# Altium PCB MCH_MAIN.PCBDOC (part 4 of 14)
Units mil, origin at the board's own origin, x right, y up, seen from the top; angles counter-clockwise.
Board outline 7110.66 x 2894.12 mil, 6 copper layers (Top Layer, Power, MidLayer1, MidLayer4, GND, Bottom Layer), stack 61.549 mil thick; 630 components, 1085 nets, 3940 pads, 2676 vias.
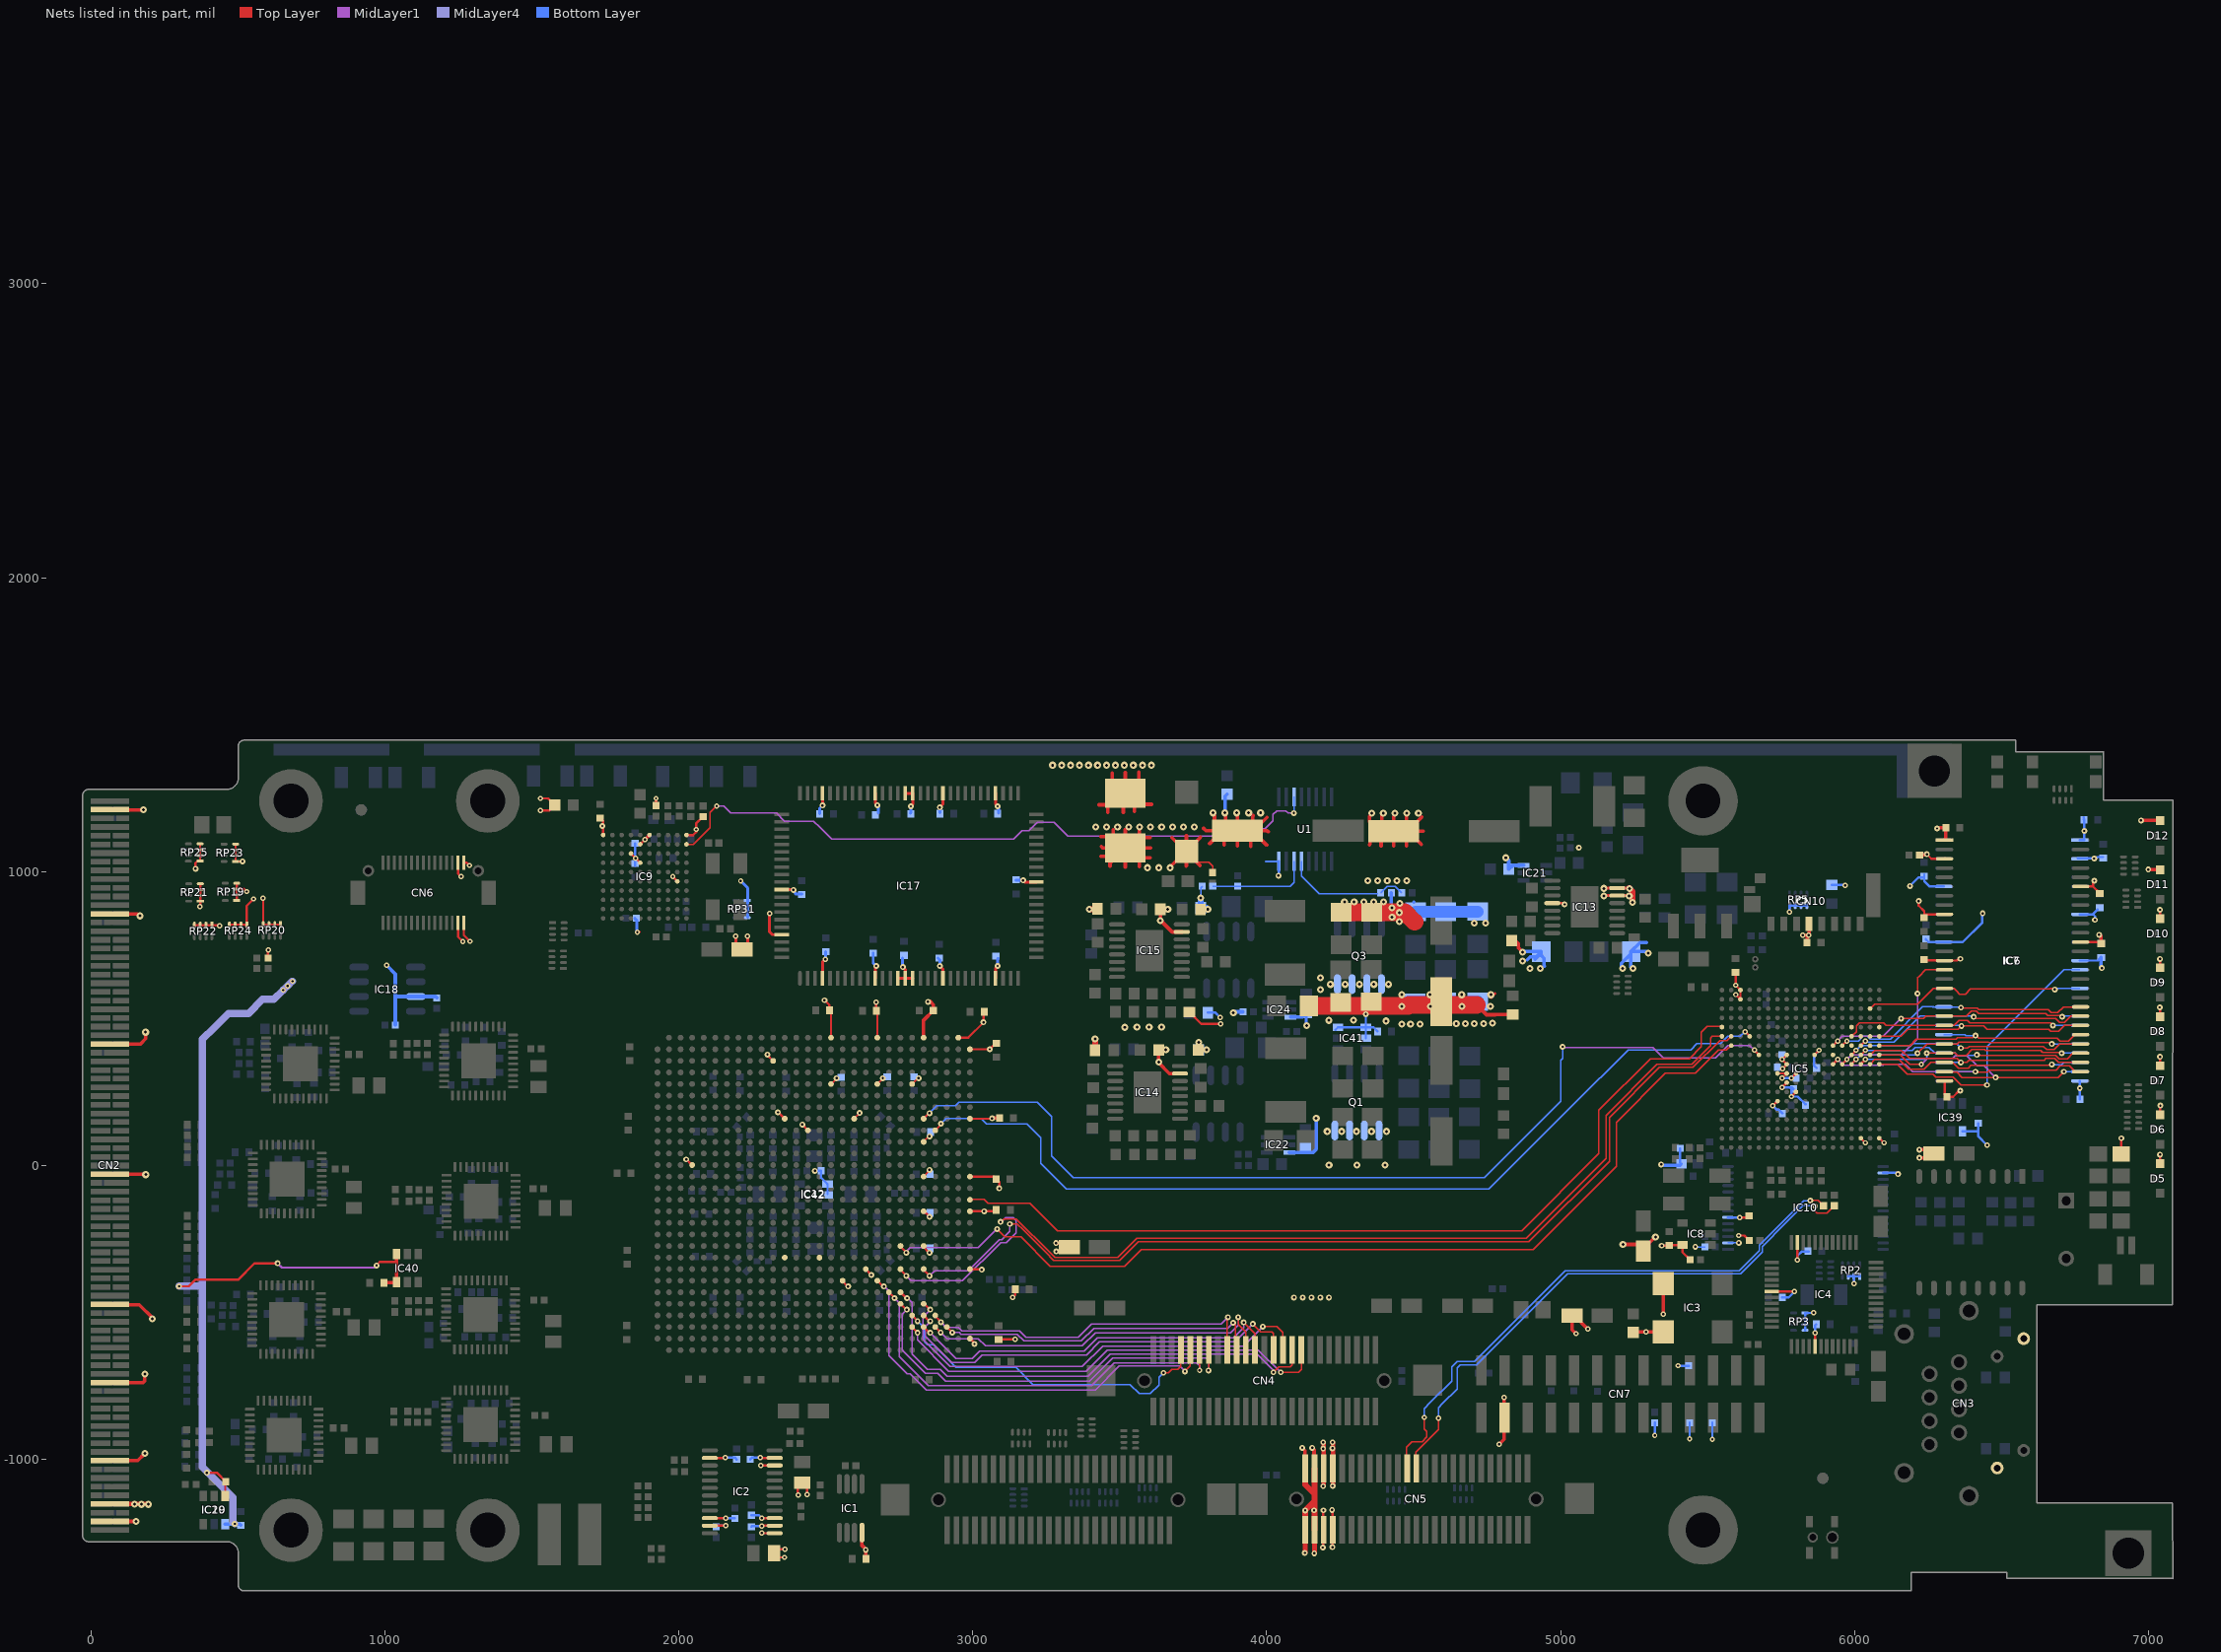
[diagram p8: the nets of this part, all layers, seen from the top]

## Via types
v1: diameter 20, hole 8, Top Layer to Bottom Layer, tented both sides, 1658 vias
v2: diameter 18, hole 8, Top Layer to Bottom Layer, tented both sides, 580 vias
v3: diameter 24, hole 10, Top Layer to Bottom Layer, tented both sides, 438 vias

## Nets (pads, with @x,y where several pads share a name; then routed paths per layer and width w, separated by ;. In a path a pad name is that pad's centre, name@x,y a point inside that pad or via, vN(x,y) a via of type N, cw(c..) or ccw(c..) an arc to the next point about the centre after c; other vN are vias at no path point) (continued)
+3V3: C1.1 C2.2 C3.1 C4.2 C5.2 C6.1 C7.2 C30.2 C35.1 C38.1 C40.1 C41.1 C44.2 C45.2 C46.2 C47.1 C48.1 C50.2 C52.2 C53.2 C55.2 C60.2 C92.1 C94.1 C95.1 C108.1 C109.1 C110.1 C111.1 C112.1 C113.1 C114.1 C117.1 C118.1 C119.1 C120.1 C121.1 C123.1 C126.1 C129.1 C134.1 C135.1 C136.2 C138.1 C148.2 C149.2 C150.2 C151.2 C159.2 C162.2 C166.2 C167.2 C168.2 C172.2 C173.2 C180.2 C181.2 C182.2 C188.2 C189.2 C190.2 C191.2 C194.2 C195.2 C197.2 C199.2 C201.2 C202.2 C203.2 C204.2 C205.2 C206.2 C207.1 C208.1 C209.1 C210.1 C211.1 C212.2 C216.2 C217.2 C219.2 C220.2 C223.1 C224.1 C229.2 C230.2 C231.2 C232.2 C238.2 C239.2 C243.1 C244.1 C249.1 C255.2 CN3.10 CN3.11 CN5.5 CN5.6 CN5.7 CN5.8 CN6.1 CN6.2 CN6.3 CN6.4 CN7.24 CN10.P4 D5.3 D6.3 D7.3 D8.3 D9.3 D10.3 D11.3 D12.3 D24.1 IC1.8 IC2.2 IC2.10 IC2.11 IC2.13 IC2.14 IC2.15 IC2.22 IC2.23 IC3.1 IC3.4 IC4.23 IC4.30 IC4.41 IC5.A17 IC5.C17 IC5.H8 IC5.K10 IC5.K12 IC5.L8 IC5.L9 IC5.L10 IC5.L11 IC5.M10 IC5.M13 IC5.T1 IC5.T2 IC6.1 IC6.3 IC6.9 IC6.14 IC6.27 IC6.43 IC6.49 IC7.1 IC7.3 IC7.9 IC7.14 IC7.27 IC7.43 IC7.49 IC8.5 IC10.2 IC10.6 IC10.16 IC12.A16 IC12.A20 IC12.A24 IC12.A27 IC12.AA28 IC12.AG28 IC12.B28 IC12.E16 IC12.E20 IC12.E23 IC12.H18 IC12.H28 IC12.K24 IC12.N24 IC12.N28 IC12.T24 IC12.T28 IC12.W24 IC13.6 IC13.7 IC13.12 IC17.4 IC17.11 IC17.14 IC17.15 IC17.16 IC17.20 IC17.27 IC17.41 IC17.54 IC17.61 IC17.65 IC17.66 IC17.70 IC17.77 IC17.91 IC17.97 IC19.1 IC20.1 IC21.3 IC22.3 IC24.3 IC39.4 IC40.3 IC40.4 IC41.3 IC41.4 IC41.5 IC42.4 IC42.5 L9.1 R16.2 R19.2 R20.2 R37.2 R38.2 R41.2 R64.1 R66.2 R75.1 R84.2 R85.2 R86.2 R88.2 R95.2 R98.1 R108.2 RP2.1 RP2.2 RP2.3 RP3.1 RP3.2 RP3.3 RP3.4 RP5.5 RP5.6 RP5.7 RP5.8 | length 16249.1
  Top Layer w5: IC12.E16@2518.1,277.32 v1@2536.72,295.94 ; IC12.H18@2596.84,159.21 v1@2615.46,177.83 ; IC12.E20@2675.58,277.32 v1@2694.2,295.94 ; IC12.E23@2793.69,277.32 2813.29,296.93 v1(2816.25,296.93) ; IC12.N24@2833.06,-37.64 v1@2852.66,-18.03 ; IC12.K24@2833.06,80.47 v1@2851.68,99.09 ; v1@2852.39,-14.5 2853.65,-13.25 v1@2853.65,-9.18
  Top Layer w8: v1(300.2,-410.9) 333,-410.9 355,-388.9 500.8,-388.9 556.8,-332.9 v1(635.6,-332.9) ; v1(395,-1045.1) 428.62,-1045.1 C195.2@459.62,-1076.1 457.4,-1078.32 IC19.1@457.4,-1124.86 ; v1@971.5,-339.6 983,-328.1 1020.87,-328.1 1021.07,-328.3 1037.8,-328.3 1039.6,-326.5 ; CN6.4@1249.11,825.54 1249.11,778.79 v2(1265.5,762.4) ; CN6.3@1249.11,1030.26 1249.11,993.49 v2(1259.1,983.5) ; CN6.2@1268.8,825.54 1268.8,783.9 v2(1289.9,762.8) ; CN6.1@1268.8,1030.26 1279.14,1030.26 v2(1288.5,1020.9) ; IC2.11@2105.76,-1225.26 2159.84,-1225.26 v2(2160,-1225.1) ; IC2.10@2105.76,-1199.67 2159.57,-1199.67 v2(2160,-1200.1) ; IC2.2@2105.76,-994.94 2158.16,-994.94 v2(2159,-994.1) ; v2(2277,-994.1) 2277.84,-994.94 IC2.23@2326.24,-994.94 ; v2@2278,-1250.1 v2@2278.75,-1250.85 ; v2@2278,-1227.1 v2@2279.84,-1225.26 ; v2@2278,-1200.1 v2@2278.43,-1199.67 ; v2(2279,-1020.1) 2325.8,-1020.1 IC2.22@2326.24,-1020.53 ; v2@2283.75,-1250.85 IC2.13@2326.24,-1250.85 ; v2@2285.84,-1225.26 IC2.14@2326.24,-1225.26 ; v2@2289.43,-1199.67 IC2.15@2326.24,-1199.67 ; v2(2360,-1333.1) 2338.43,-1333.1 C244.1@2324.43,-1319.1 2324.43,-1310.53 2319,-1305.1 v2(2361,-1305.1) ; v2(2406,-1121.1) 2405,-1120.1 2405,-1091.1 2408.43,-1091.1 C243.1@2420,-1079.53 2434.57,-1094.1 2436,-1094.1 2437,-1095.1 v2(2437,-1119.1) ; v1(2496,562.3) 2512.75,545.55 C112.1@2512.75,528.02 ; C112.1@2511.38,523.98 2518.1,517.26 IC12.A16@2518.1,434.8 ; C120.1@2671.38,522.98 2675.58,518.78 2675.58,493.78 IC12.A20@2675.58,434.8 ; v2@2672.02,550.9 C120.1@2672.02,526.5 v2(2672.02,555.68) ; IC12.W24@2833.06,-273.86 2833.06,-277.96 2852.14,-297.04 v1@2852.66,-297.56 ; IC12.T24@2833.06,-155.75 2834.87,-155.75 v1@2850.69,-171.58 ; IC12.A27@2951.17,434.8 IC12.A27@2955.02,434.8 ; IC12.A27@2954.04,431.77 2954.12,431.85 IC12.A27@2955.02,432.75 ; IC12.A27@2955.02,430.94 IC12.A27@2955.02,432.75 ; IC12.AG28@2990.54,-588.82 3006,-604.28 v1(3006,-607.3) ; IC12.T28@2990.54,-155.75 3037.25,-155.75 v1@3038.1,-156.6 ; IC12.N28@2990.54,-37.64 3070.92,-37.64 3075.28,-42 C108.1@3079.38,-46.1 ; IC12.H28@2990.54,159.21 3065.88,159.21 v1@3066.13,159.46 ; IC12.B28@2990.54,395.43 3045.57,395.43 ; IC12.AA28@2991.07,-353.14 IC12.AA28@2990.54,-352.6 v1@3023.2,-352.6 ; v1(3039.24,-155.47) 3076.01,-155.47 C121.1@3080.38,-151.1 ; v1@3050.1,395.43 3045.57,395.43 ; C118.1@3075.25,412.83 v1(3057.85,395.43) 3045.57,395.43 ; C108.1@3080.78,-47.5 C108.1@3079.38,-46.1 ; C117.1@3087.18,-590.9 C117.1@3088,-591.72 3143.38,-591.72 v2(3144,-591.1) ; v1(3090,-78.1) 3090,-56.72 C108.1@3079.38,-46.1 ; v2(3136.01,-449.09) 3144.38,-440.72 C119.1@3144.38,-421.1 ; R38.2@3737,522.4 3777.5,481.9 v2(3843,481.9) ; v1(4190.8,-1299.7) 4192.78,-1297.72 4192.78,-1236.43 4192.78,-1173.32 v1(4193,-1173.1) ; v1(4192.2,-1090.9) 4192.78,-1090.32 4192.78,-1027.77 4192.78,-964.28 v1@4192.6,-964.1 ; v1(4192.2,-962.9) 4192.2,-941.9 v2(4192.3,-941.8) ; v1(4222.4,-1171.5) 4224.28,-1173.38 4224.28,-1236.43 4224.28,-1294.62 v1@4223.6,-1295.3 ; v1(4224,-961.9) 4224.28,-962.18 4224.28,-977.3 ; v2(4224.1,-941.4) 4224.28,-941.58 4224.28,-977.3 ; v1(4224.6,-1090.1) 4224.28,-1089.78 4224.28,-1027.77 4224.28,-977.3 ; v3@4873.6,724.3 v3@4873.6,731.33 ; IC13.12@4971.13,892.39 5009.51,892.39 v1(5013.6,888.3) ; v3@5231.6,916.5 5244.7,903.4 v3(5244.7,895.3) ; v1(5343.8,-272.7) 5344.42,-272.08 5368.64,-272.08 C173.2@5369,-271.72 5370.38,-270.34 IC8.5@5414.76,-270.34 5414.76,-295.41 R64.1@5440.28,-320.94 ; C55.2@5595,657.28 5595.8,656.48 v2(5595.8,613.5) ; v2@5595.87,581.52 v2(5595.76,581.41) IC5.T2@5611.49,565.68 ; v2@5595.87,612.58 v2@5595.87,613.5 ; v2@5595.89,612.88 5611.49,597.28 IC5.T1@5611.49,597.17 ; v2(5606,-238.1) 5625.28,-238.1 R75.1@5642.28,-255.1 ; IC5.T2@5611.61,565.34 IC5.T1@5611.61,596.84 ; v1@5612,-180.1 v1(5609,-177.1) 5635.62,-177.1 C190.2@5641,-171.72 ; IC4.30@5718,-429.1 v2(5795,-429.1) ; v2(5721.73,203.47) 5737.37,219.11 IC5.M13@5737.48,219.21 ; IC5.M10@5737.59,313.37 IC5.L10@5769.09,313.37 v2(5753.34,297.63) ; v2(5753.34,266.13) IC5.L11@5769.09,281.88 ; v2@5753.36,328.13 5769.09,343.86 IC5.L9@5769.09,344.87 IC5.L9@5766.83,347.12 ; v2@5755.3,360.62 5755.3,357.68 IC5.L9@5768.6,344.38 ; v2@5755.3,362.58 IC5.L8@5769.09,376.37 IC5.L8@5766.83,374.09 ; v2(5784.83,234.63) IC5.K12@5800.58,250.38 ; v2(5784.83,297.63) IC5.K10@5800.58,313.37 ; v2(5805,-321.1) 5805,-293.1 ; 5805,-304.1 5805,-293.1 ; IC4.23@5805,-262.1 5805,-293.1 ; IC5.H8@5863.57,376.37 v2(5879.32,392.11) ; IC4.41@5865,-616.1 v2(5865,-569.1) ; IC5.C17@6021.07,92.9 v2(6036.82,77.15) ; IC5.A17@6084.06,92.9 v2(6099.81,77.15) ; v1(6217.92,899.98) 6217.92,884.23 6236.9,865.26 C134.1@6236.9,845.81 ; C181.2@6236.9,694.63 6240.89,698.62 IC6.14@6311.85,698.62 ; C134.1@6238.06,854.65 IC6.9@6305.85,854.65 ; v1@6241,1055.9 C191.2@6220.72,1055.9 6223.72,1058.9 v1(6246,1058.9) ; v1@6243,1055.9 v1(6246,1058.9) ; IC6.1@6305.26,1109.21 6305.85,1108.62 IC6.1@6305.85,1106.62 ; IC6.27@6305.85,287.72 6307.14,286.44 C166.2@6307.14,240.39 ; IC6.14@6305.85,697.17 6347.79,697.17 v1@6355.72,705.1 ; IC6.3@6305.85,1042.62 IC6.3@6307.85,1044.62 ; IC6.3@6305.85,1043.63 6261.27,1043.63 v1(6246,1058.9) ; C166.2@6313.62,233.9 6335,233.9 6356,254.9 v1@6359.2,254.9 ; IC6.43@6768.84,760.16 6826.31,760.16 C159.2@6831.85,754.62 ; IC6.49@6768.84,949.14 6811.33,949.14 ; v1(6815.6,968.9) 6811.33,964.63 6811.33,949.14 ; C162.2@6833.85,926.62 6811.33,949.14 ; D24.1@6907,39.3 v1(6907,92.9) ; v1(7038,537.9) 7039,536.9 D8.3@7039,506.18 ; D5.3@7039,6.04 v1(7039,36.9) ; D6.3@7039,172.76 7039,202.9 v1(7040,203.9) ; D7.3@7039,339.47 v1(7039,369.9) ; D9.3@7039,672.9 v1(7039,702.9) ; D10.3@7039,839.61 v1(7039,869.9) ; IC12.A27@2955.02,432.75 IC12.A27@2955.02,434.8 ; IC12.A27@2955.02,434.8 2984.63,434.8 v1(3036.88,487.04) ; v1(3036.88,487.04) 3036.88,522.21 v1(3036.88,487.04)
  Top Layer w10: v2(2194,779.9) 2194,756.08 C224.1@2215.18,734.9 2234,753.72 v2(2234,779.9) ; v2(2309,857.9) 2309,794.9 2318.57,785.33 IC17.97@2350.32,785.33 ; IC17.91@2350.32,938.87 v1@2383.95,938.87 ; 2489.1,668.36 IC17.4@2489.1,636.71 2489.1,692 v2(2499,701.9) ; v1(2489.1,1224.71) IC17.77@2489.1,1266.63 ; IC17.11@2668.24,636.71 2668.24,675.49 v1(2671.56,678.82) ; IC17.70@2668.24,1266.63 2668.24,1233.32 v1(2675.5,1226.06) ; IC17.14@2745.01,636.71 IC17.15@2770.6,636.71 ; v1(2762.11,674.88) 2770.6,666.39 IC17.15@2770.6,636.71 ; IC17.66@2770.6,1266.63 2771.8,1265.43 IC17.65@2794.99,1265.43 ; v1(2789.67,1222.12) 2796.19,1228.64 IC17.65@2796.19,1266.63 ; IC17.16@2796.19,636.71 IC17.15@2770.6,636.71 ; v1(2847.6,556.9) 2853.8,556.9 v1@2855,558.1 ; v1(2888.1,678.82) 2898.55,668.36 IC17.20@2898.55,636.71 ; v1(2888.1,1218.19) 2898.55,1228.64 IC17.61@2898.55,1266.63 ; IC17.27@3077.69,636.71 3077.69,671.56 v1(3084.95,678.82) ; IC17.54@3077.69,1266.63 3077.69,1229.38 v1(3084.95,1222.12) ; v1(3171.56,970.15) 3177.25,964.46 IC17.41@3216.47,964.46 ; v3@4762.45,570.89 4776.15,584.59 ; v3@5147.8,916.5 5148,916.3 5148.1,916.4 5149.68,917.98 5191.61,917.98 5230.12,917.98 v3@5231.6,916.5 ; v3@5150,943.7 5150.13,943.57 5191.61,943.57 5232.93,943.57 5233.4,943.1 v3@5233.4,943.3
  Top Layer w12: C151.2@996.62,-399.1 IC40.4@1036.84,-399.1 ; IC40.4@1039.6,-396.34 1039.6,-326.5 IC40.3@1039.6,-301.86 ; IC1.8@2623.39,-1248.78 2623.39,-1293.09 2637.6,-1307.3 2636.62,-1308.28 C4.2@2636.62,-1338.1 ; IC12.A24@2833.06,434.8 2833.06,494.53 C123.1@2866.02,527.5 2866.02,547.08 v1@2855,558.1 ; v1@3066.13,159.46 3068.57,161.9 C109.1@3091.38,161.9 ; v1(3283.4,-264.1) 3314.82,-264.1 C223.1@3328.82,-278.1 3314.22,-292.7 v1(3284.4,-292.7) ; 4714.9,546.1 4748.1,512.9 4778,512.9 4779.5,514.4 R41.2@4837,514.4 ; v2(4791,-948.1) 4807.74,-931.36 4807.74,-860.1 4807.74,-789.36 v2(4808,-789.1) ; R16.2@4838.5,771.9 4856,754.4 4856,740.9 v3(4871,725.9) ; v2(5052,-572.1) 5038.82,-558.92 C35.1@5038.82,-511.1 5047,-511.1 v2(5092,-556.1) ; v3(5211.7,-268.4) 5258.12,-268.4 C47.1@5281,-291.28 5281,-284.4 v3(5322.5,-242.9) ; C30.2@5247,-567.6 5248.14,-566.45 v2@5283,-566.45 ; v2(5290,-566.45) v2@5283,-566.45 ; IC3.1@5349,-566.45 v2@5283,-566.45 ; v2(5349,-506.1) IC3.4@5349,-401.1 ; v2(5824,783.9) v2@5838.38,783.9 ; C188.2@5838.38,757.9 v2@5838.38,783.9 ; CN10.P4@5845.35,822.07 5845.35,784.9 v2(5844.35,783.9) v2@5838.38,783.9 ; v1(6220,25.9) 6255,25.9 6255,26.08 C48.1@6269.82,40.9 6256.82,53.9 v1(6220,53.9) ; v1@6282,1145.9 6285.68,1149.58 C136.2@6310.1,1149.58 6310.1,1112 IC6.1@6308.6,1110.5 ; v1(6831.8,784.7) 6838.73,777.77 C159.2@6838.73,755.2 ; v1(6974,1173.9) 7038.14,1173.9 D12.3@7039,1173.04 ; v1(6999,1006.9) 6999,1008.9 7001.57,1006.33 D11.3@7039,1006.33
  Top Layer w16: v1(4192.2,-1090.9) 4194.04,-1089.06 CN5.5@4194.04,-1030.77 4194.04,-943.74 v2@4192.2,-941.9 ; v1@4224.28,-1089.78 4225.54,-1088.52 CN5.7@4225.54,-1030.77 4225.54,-944.36 v2@4224.28,-943.1
  Top Layer w20: v3@5232.93,943.57 5244.7,931.8 v3(5244.7,895.3)
  Top Layer w60: R98.1@4143.7,543.08 4251.89,543.08 4480.8,543.08 4483.82,546.1 4714.9,546.1 ; C210.1@4252.89,861.23 C208.1@4356.89,861.23 4470.14,861.23 4502.61,828.76
  MidLayer1 w8: v1(635.6,-332.9) 650,-347.3 683.2,-347.3 ; 670.2,-347.3 683.2,-347.3 ; 956.8,-347.3 948,-347.3 ; v1(972,-340.1) 964.8,-347.3 948,-347.3 ; v3@4873.6,723.7 v3@4873.6,724.3 ; 683.2,-347.3 948,-347.3
  MidLayer4 w8: v1@299.6,-411.5 v1(300.2,-410.9)
  MidLayer4 w25: v1@301.29,-409.81 379.91,-409.81 ; v1(489.55,-1219.23) 483.5,-1213.18 483.5,-1129.71 379.91,-1026.12 379.91,-409.81 ; v2(686,626.9) 685,626.9 v2(669,610.9) 668.59,610.9 v2(654.26,596.57) ; 379.91,-409.81 379.91,429.5 420.95,470.54 467.97,517.56 536.89,517.56 584.33,565 622.69,565 v2(654.26,596.57) ; v2(654.26,596.57) 654.26,597.09 v2(654.26,596.57)
  Bottom Layer w5: v1@2816.82,296.66 2818.08,297.91 v1@2822.15,297.91 ; C113.1@2852.66,-18.03 v1(2852.66,-15.08) ; L9.1@5407.44,1.9 L9.1@5411.44,5.9 ; v1@5458.6,-277.1 R66.2@5491.28,-277.1 ; IC10.2@5569.34,-263.13 5604.86,-263.13 v1@5608.11,-263.13 ; v1(5606,-263.1) v1@5608.08,-263.1
  Bottom Layer w8: C7.2@2127,-1229.38 2131.28,-1225.1 v2(2160,-1225.1) ; v2(2159,-994.1) 2191.28,-994.1 C1.1@2197,-999.82 ; v2(2160,-1200.1) 2190.28,-1200.1 C3.1@2191,-1200.82 ; C6.1@2243,-999.82 2248.72,-994.1 v2(2277,-994.1) ; C2.2@2247,-1229.38 2249.28,-1227.1 v2(2283,-1227.1) ; C5.2@2247,-1189.82 2272.72,-1189.82 v2(2283,-1200.1) ; v1(2463,-18.1) 2463.12,-17.98 C239.2@2483.75,-17.98 2483.75,-40.85 2505.92,-63.03 2506.21,-63.31 IC42.5@2506.21,-96.77 ; v1(3057.85,395.43) v1@3057.85,396.86 ; R37.2@3799.5,519.9 3826,519.9 v2(3842,503.9) ; IC41.3@4233.98,461.52 IC41.3@4242.76,470.3 IC41.4@4337.24,470.3 ; IC41.5@4337.24,432.9 IC41.4@4337.24,470.3 ; v1@4337.24,513.79 IC41.4@4337.24,470.3 ; C238.2@4377.38,455.9 4362.98,470.3 IC41.4@4337.24,470.3 ; C168.2@4915.2,710.3 4932.8,727.9 C168.2@4933.88,727.9 ; v2@5319,-919.1 v2(5320,-918.1) R84.2@5320,-874.82 ; v2(5399,-681.1) 5399.28,-681.38 R95.2@5436,-681.38 ; R19.2@5406.28,57.9 5406.28,11.06 L9.1@5411.44,5.9 ; v2(5439,-930.1) R86.2@5439,-874.82 ; v2(5516,-932.1) R85.2@5516,-874.82 ; IC10.6@5569.34,-176.52 5604.78,-176.52 v1@5610.61,-182.35 ; v2(5721.73,203.47) 5735.54,189.65 5742.24,189.65 C53.2@5754.51,177.39 ; C41.1@5753.62,-449.1 5775,-449.1 v2(5795,-429.1) ; v2@5754.34,266.12 5777.92,266.12 ; 5773.05,297.63 v2(5753.34,297.63) 5784.13,297.63 v2@5784.2,297.7 ; v2(5778,862.9) 5778.47,863.37 RP5.8@5778.47,884.21 RP5.5@5837.53,884.21 ; C46.2@5791.99,260.91 5786.78,266.12 5777.92,266.12 ; v2(5805,-321.1) 5805,-308.1 5820,-293.1 C38.1@5843.38,-293.1 ; RP3.4@5831.68,-560.63 RP3.3@5831.68,-540.94 RP3.2@5831.68,-521.26 RP3.1@5831.68,-501.57 5860.53,-501.57 v2(5861,-501.1) ; C50.2@5833.08,209.04 5832.1,209.04 5806.5,234.63 v2(5784.83,234.63) 5784.83,259.21 5777.92,266.12 ; v2(5865,-569.1) 5865,-544.48 C40.1@5869.38,-540.1 ; C52.2@5870.62,331.9 5861.82,340.7 5861.82,373.72 v2@5877.2,389.1 ; v2@5875.6,389.1 v2@5877.2,389.1 ; v2@5877.4,389.1 v2@5877.2,389.1 ; v2@5877.8,389.7 v2@5877.2,389.1 ; R20.2@5923,954.4 5966.1,954.4 v2(5967.4,953.1) ; RP2.3@5978.16,-376.78 RP2.2@5997.84,-376.78 ; v2(5998,-402.1) 5997.84,-401.94 RP2.2@5997.84,-376.78 ; RP2.1@6017.53,-376.78 RP2.2@5997.84,-376.78 ; IC10.16@6096.9,-24.94 6143.04,-24.94 v1(6147.4,-29.3) ; v1(6188.4,951.16) 6216.86,979.63 C167.2@6236.9,979.63 ; C167.2@6236.9,989.63 6236.9,967.62 6255.38,949.14 IC7.49@6302.86,949.14 IC7.49@6277.39,949.14 ; C172.2@6241.9,769.63 6251.36,760.16 IC7.43@6302.86,760.16 6367.86,760.16 6434.4,826.7 6434.4,855.1 v1@6435.2,855.9 ; IC39.4@6366.4,116.66 6419.24,116.66 6420,115.9 ; C148.2@6420,143.28 6420,115.9 ; v2(6451,68.9) 6420,99.9 6420,115.9 ; IC7.3@6759.26,1044.67 6765.85,1044.67 6814.88,1044.67 6821.27,1044.67 6825.99,1049.39 C180.2@6845.21,1049.39 ; v1@6765.85,262.9 IC7.27@6765.85,287.72 ; IC7.14@6765.85,697.17 6827.12,697.17 C150.2@6834.07,704.11 ; IC7.9@6765.85,854.65 6810.39,854.65 ; IC7.1@6765.85,1106.62 6780.72,1106.62 6781.2,1107.1 6781.2,1138.33 6781.2,1176.5 6780.61,1177.09 C182.2@6779.4,1178.3 ; v1(6766,262.9) 6766,225.52 C189.2@6766.62,224.9 ; C182.2@6778.6,1184.08 C182.2@6778.95,1184.43 ; v1(6817.81,835.62) 6817.81,847.23 6810.39,854.65 ; C149.2@6827.18,871.44 6810.39,854.65
  Bottom Layer w10: v1@2392.03,930.78 2399.58,923.24 2418.13,923.24 C232.2@2419.12,923.24 ; C231.2@2479.5,1196.86 2479.5,1215.1 v1(2489.1,1224.71) ; v2(2499,701.9) 2500.4,703.3 C206.2@2500.4,726.88 ; C219.2@2661.4,721.88 2661.4,688.98 v1(2671.56,678.82) v1@2673.74,681 ; v1(2675.5,1226.06) 2678.74,1222.82 2678.74,1200.02 C216.2@2678.74,1198.86 ; C217.2@2760.5,705.86 2760.5,676.49 v1(2762.11,674.88) ; C229.2@2788.74,1198.86 2789.67,1199.79 v1(2789.67,1222.12) ; C220.2@2881.5,705.86 2888.1,699.27 v1(2888.1,678.82) ; C212.2@2888.1,1200.27 v1(2888.1,1218.19) ; v1(3084.95,678.82) C199.2@3084.95,703.02 ; C199.2@3084.95,703.07 C199.2@3086.74,704.86 ; v1(3084.95,1222.12) 3087.74,1219.33 C197.2@3087.74,1198.86 ; C230.2@3147.45,970.15 3148.13,970.15 v1(3171.56,970.15) ; C95.1@4131.31,516.72 C95.1@4134,519.4 4134,477.9 v3(4136,475.9)
  Bottom Layer w12: IC20.1@457.4,-1219.34 505.62,-1219.34 C194.2@510,-1223.72 ; v3(3887,519.9) 3890,522.9 R108.2@3919.28,522.9 ; IC22.3@4077,44.72 4131,44.72 4132,44.72 4135.82,44.72 4157.82,44.72 4168.5,55.4 v3(4168.5,161.2) ; IC24.3@4081,504.72 4119.31,504.72 C95.1@4134,519.4 ; R88.2@4423.72,920.48 R88.2@4423.72,927.9 4423.72,879.48 v3(4426.1,877.1) ; 4500.6,895.73 4500.64,895.69 ; v3(4814,1046.9) 4823.5,1037.4 C92.1@4823.5,1007.9 4836.68,1021.08 IC21.3@4874,1021.08 ; 4846.5,1020.9 IC21.3@4859,1020.9 ; v3@4873.4,723.7 4873.8,724.1 4877.6,727.9 4932.8,727.9 C168.2@4933.88,727.9 ; 4886.6,700.3 4896.6,710.3 C168.2@4915.2,710.3 ; C168.2@4913.4,701.5 C168.2@4933.88,721.98 ; 4945.4,678.7 4943.8,680.3 4943.8,704.9 4933.88,714.82 C168.2@4933.88,721.98 ; v3@5206,675.9 5206.4,676.3 5206.4,687.7 C255.2@5239.12,720.42 ; v3@5239.2,675.1 5239.12,675.18 C255.2@5239.12,719.98 ; 5291.6,758.7 5269.92,758.7 C255.2@5239.12,727.9 ; v3@5293.2,727.1 5292.4,727.9 C255.2@5239.12,727.9 ; v1(5342,3.9) 5345,0.9 5406.44,0.9 L9.1@5407.44,1.9 ; C150.2@6838.73,707.96 6838.73,674.37 v1(6841.2,671.9) ; C168.2@4933.88,721.98 C168.2@4933.88,727.9 ; C168.2@4933.88,721.98 C168.2@4933.88,727.9 ; C255.2@5239.12,719.98 C255.2@5239.12,720.42 ; C255.2@5239.12,719.98 C255.2@5239.12,720.42 ; C255.2@5239.12,720.42 C255.2@5239.12,727.9 ; C255.2@5239.12,720.42 C255.2@5239.12,727.9 ; C255.2@5239.12,720.42 C255.2@5239.12,727.9
  Bottom Layer w40: C201.2@4505.2,553.28 4713.83,553.28 C211.1@4718.2,557.65 ; C203.2@4506.2,863.2 4506.88,863.89 C204.2@4718.2,863.89
  other v1: 2636.2,-1307.3 4224,-1298.7 3030.9,-354.6 2852.66,-296.51 5458.18,-276.39 2852.66,-174.47 2852.66,99.09 3065.58,160.01 2615.46,178.82 6359.2,254.5 2536.72,296.93 2694.2,296.93 4337.2,515 6359.66,703.13 6435.68,857.53 2390.2,937.5 6814.88,1044.53 5061.8,1081.1 6781.48,1138.33 6280.4,1146.7
  other v2: 2283,-1250.1 5754.32,329.12 5753.34,360.62
  other v3: 4459.7,481 4489.24,481.5 4521.44,481.5 4644.92,483 4675.84,482.6 4706.66,482.9 4737.74,482.4 4768.4,484 4459.3,540.9 4556.6,540.9 4663.8,540.9 4760.8,540.9 4459.7,580.9 4555.6,580.9 4663.4,580.9 4762.45,580.9 4896,670.9 4931,670.9 5211,670.9 5246,670.9 4871,695.9 5298,721.9 4706,824.9 4745,824.9 4451.5,830 4426.7,845.3 4450.9,860.6 4452.4,891.8 4264.4,897.1 4297.6,897.1 4330.8,897.1 4364,897.1 4397.2,897.1 5147.6,916.9 5233.2,916.7 5147.4,942.9 5234,942.5
+3V3_MP: C133.2 C192.2 C225.2 C226.2 C227.2 C254.1 CN2.4 IC9.A10 IC9.D8 IC9.E7 IC9.E9 IC9.F10 IC9.J5 IC9.K10 IC18.3 R57.2 R91.1 R92.1 R94.2 RP19.1 RP19.2 RP19.3 RP19.4 RP20.1 RP20.2 RP20.3 RP20.4 RP21.1 RP21.2 RP21.3 RP21.4 RP22.1 RP22.2 RP22.3 RP22.4 RP23.1 RP23.2 RP23.3 RP23.4 RP24.1 RP24.2 RP24.3 RP24.4 RP25.1 RP25.2 RP25.3 RP25.4 RP31.1 RP31.2 RP31.3 RP31.4 U1.16 | length 2067.2
  Top Layer w8: RP22.4@352.47,817.59 437.68,817.59 438,817.9 v2(438,815.9) ; v1(356,1009.9) 356,1028.9 362.47,1035.37 RP25.1@371.68,1035.37 RP25.2@371.68,1055.06 RP25.3@371.68,1074.74 RP25.4@371.68,1094.43 ; v1@372.68,882.59 RP21.4@372.68,958.43 ; RP24.4@471.47,818.59 RP24.3@491.16,818.59 RP24.2@510.84,818.59 RP24.1@530.53,818.59 530.53,883.43 v2(554,906.9) ; RP23.4@492.68,1093.43 RP23.1@492.68,1034.37 515.47,1034.37 v1(516,1034.9) ; RP19.1@496.68,901.37 RP19.2@496.68,921.06 RP19.3@496.68,940.74 ; RP19.4@496.68,960.43 RP19.3@496.68,940.74 ; v2(530,931.9) 521.16,940.74 RP19.3@496.68,940.74 ; v2(586,909.9) 587,909.9 586.47,909.37 RP20.4@586.47,819.59 RP20.3@606.16,819.59 RP20.2@625.84,819.59 RP20.1@645.53,819.59 ; R91.1@603,705.62 603,732.9 v2(604,733.9) ; v2(1530,1207.9) 1560.5,1207.9 C227.2@1578.5,1225.9 1555.5,1248.9 v2(1530,1248.9) ; C226.2@1732,1182.28 C226.2@1743,1171.28 ; IC9.A10@1743,1124.36 C226.2@1743,1171.28 ; v1@1743,1154.9 C226.2@1743,1171.28 ; IC9.D8@1837.49,1061.37 v2@1853.2,1045.66 ; v2@1853.76,1045.1 IC9.E7@1868.98,1029.88 ; IC9.E9@1868.98,1092.87 v2(1885,1108.9) ; v2(1980,982.9) 1980,981.85 IC9.J5@1994.97,966.88 ; IC9.K10@2026.46,1124.36 2049.46,1124.36 2059,1133.9 2059,1163.18 C133.2@2083,1187.18
  Top Layer w10: v2(1859,793.9) v2@1865.28,793.9 ; v2(1885,1108.9) IC9.F10@1900.48,1124.36 ; R92.1@1923,1224.62 v2(1923,1248.9)